# Altium PCB CM4 to FMC Adapter r2.0.PcbDoc (part 1 of 3) (continued)
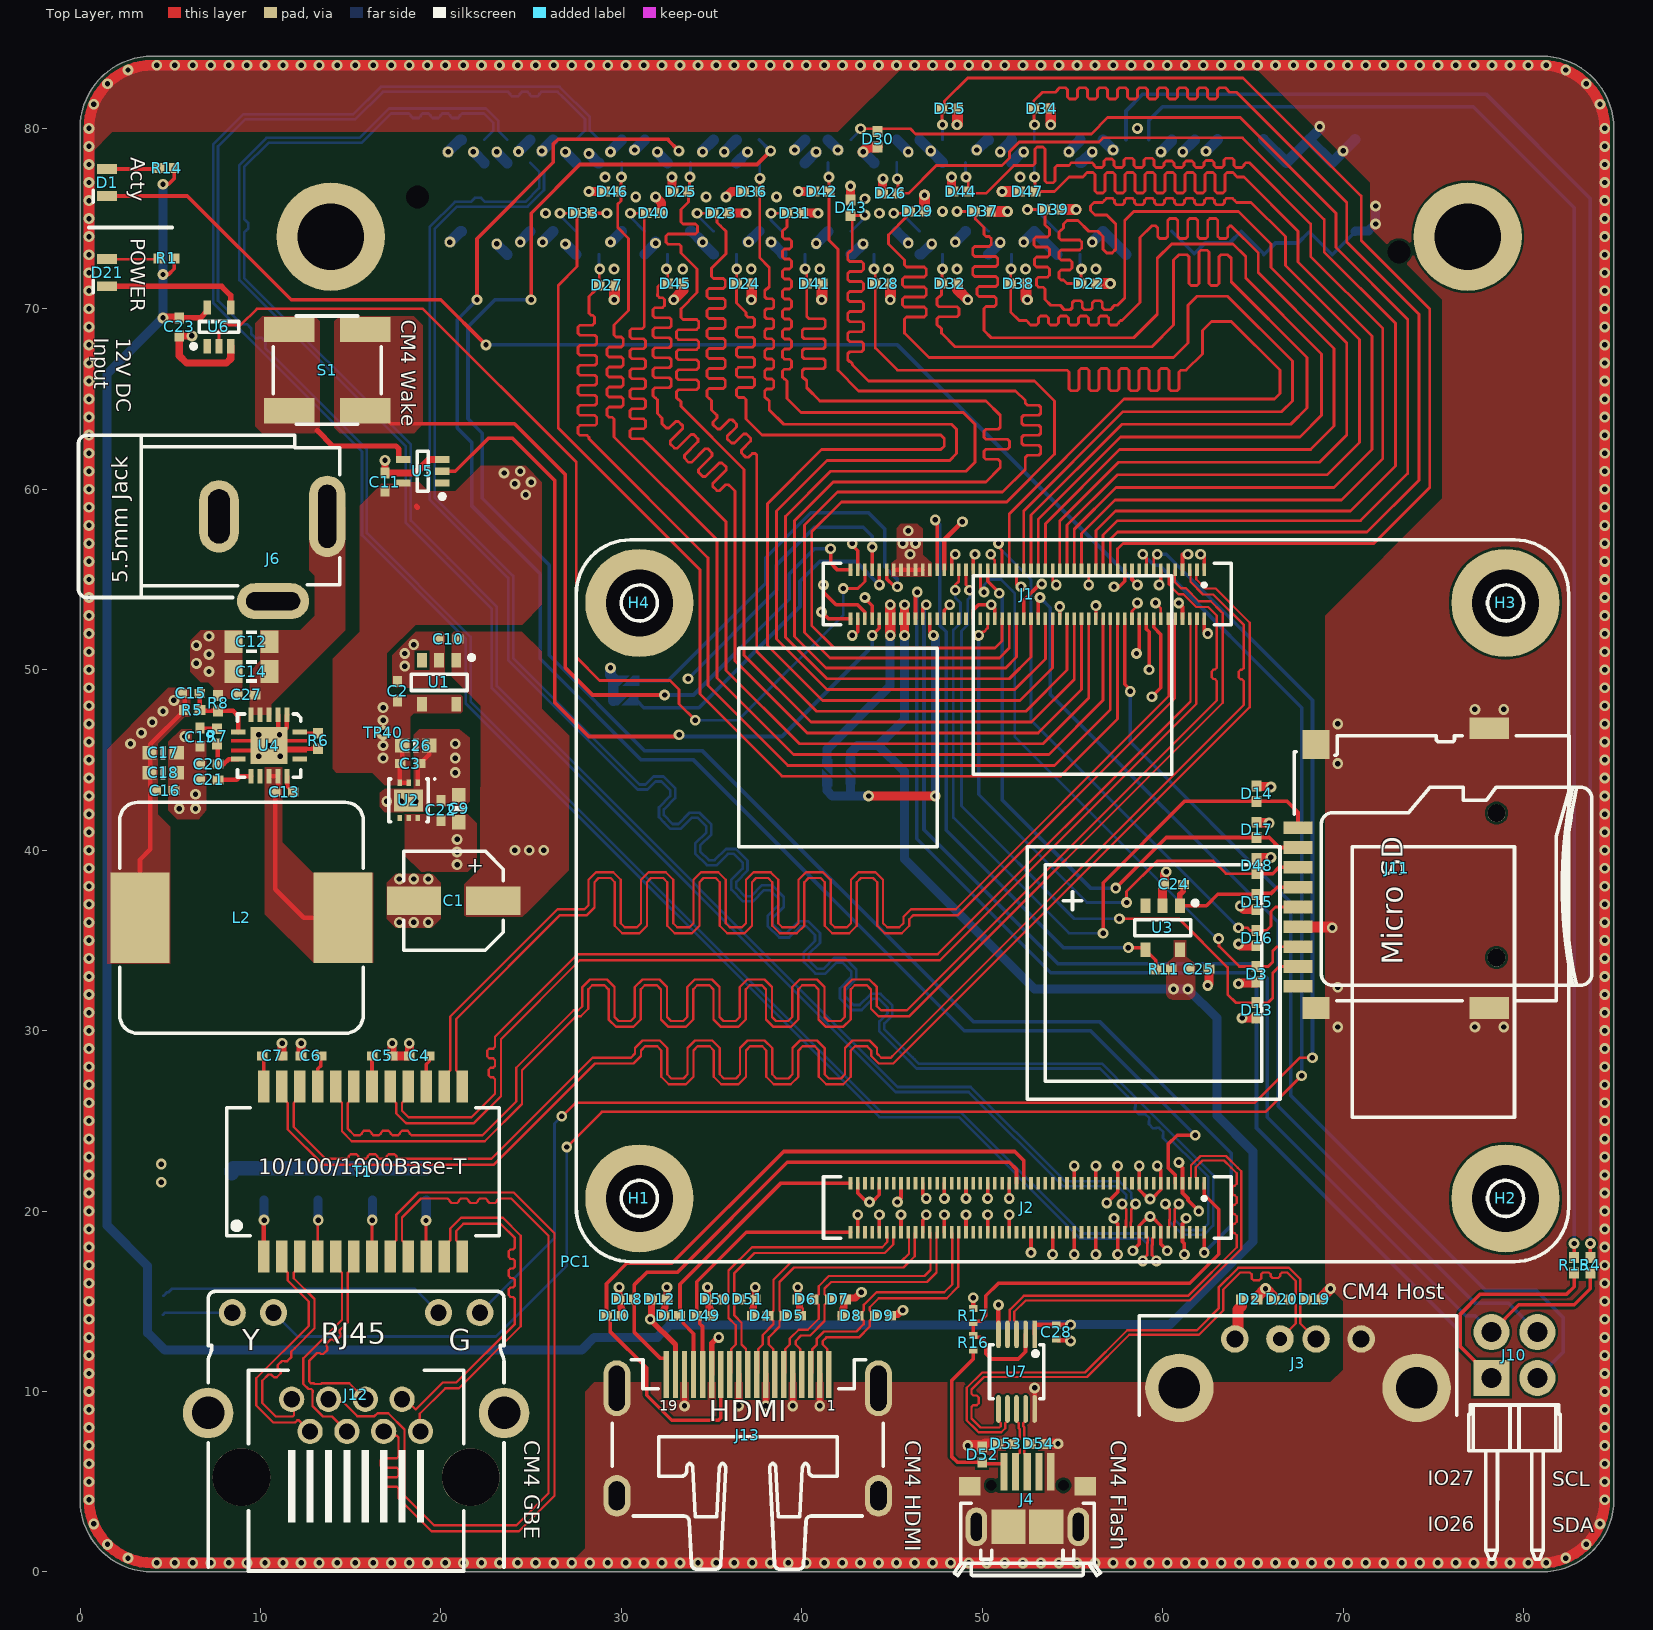
[diagram p0: Top Layer view]
## Components (designator, comment, footprint, x,y, rotation, side; value= is the part's Value field where it differs from the comment)
C1 "100µF 10V" WCAP-ASLI_D5H5.5 20.7,37.2 r0 top
C2 "1µF 16V" CAP_0402#1 17.6,48.8 r180 top
C3 "100nF 50V" CAP_0402#1 18.3,44.8 r90 top
C4 "10nF 50V" CAP_0402#1 18.8,28.6 r270 top
C5 "10nF 50V" CAP_0402#1 16.75,28.6 r90 top
C6 "10nF 50V" CAP_0402#1 12.8,28.6 r270 top
C7 "10nF 50V" CAP_0402#1 10.65,28.6 r90 top
C8 "1nF 2000V" CAP_1206 6.9,22.1 r270 bottom
C9 "10µF 6.3V" CAP_0603#1 21,42.3 r0 top
C10 "100nF 50V" CAP_0402#1 20.4,51.7 r90 top
C11 "100nF 50V" CAP_0402#2 16.9,60.4 r270 top
C12 "10µF 16V" CAP_0805 9.5,51.55 r0 top
C13 "100nF 50V" CAP_0402#2 11.318,43.221 r180 top
C14 "10µF 16V" CAP_0805 9.5,49.9 r0 top
C15 "150pF 50V" CAP_0402#2 6.14,48.688 r180 top
C16 "100nF 50V" CAP_0402#2 4.7,43.3 r0 top
C17 "10µF 6.3V" CAP_0603#2 4.6,45.4 r180 top
C18 "10µF 6.3V" CAP_0603#2 4.6,44.3 r180 top
C19 "22nF 50V" CAP_0402#2 6.655,46.261 r270 top
C20 "12pF 50V" CAP_0402#2 7.139,44.774 r180 top
C21 "1.8nF 50V" CAP_0402#2 7.139,43.897 r180 top
C22 "100nF 50V" CAP_0402#1 20,42.2 r0 top
C23 "100nF 50V" CAP_0402#2 5.5,69 r90 top
C24 "100nF 50V" CAP_0402#1 60.6,38.1 r90 top
C25 "1µF 16V" CAP_0402#1 62.01,33.405 r90 top
C26 "10µF 6.3V" CAP_0603#1 18.6,45.8 r90 top
C27 "100nF 50V" CAP_0402#2 9.2,48.6 r0 top
C28 "100nF 50V" CAP_0402_L 54.1,13.295 r270 top
D1 "LTST-S270KGKT" "LED-0603 Sideview" 1.5,77 r90 top
D2 "CESDP0402UC5VB" TVS_0402 64.8,15.1 r0 top
D3 "CESDP0402UC5VB" TVS_0402 65.2,33.125 r270 top
D4 "CESDP0402UC5VB" TVS_0402 37.7,14.2 r180 top
D5 "CESDP0402UC5VB" TVS_0402 39.5,14.2 r0 top
D6 "CESDP0402UC5VB" TVS_0402 40.2,15.1 r180 top
D7 "CESDP0402UC5VB" TVS_0402 42,15.1 r0 top
D8 "CESDP0402UC5VB" TVS_0402 42.7,14.2 r180 top
D9 "CESDP0402UC5VB" TVS_0402 44.5,14.2 r0 top
D10 "CESDP0402UC5VB" TVS_0402 29.6,14.2 r0 top
D11 "CESDP0402UC5VB" TVS_0402 32.8,14.2 r180 top
D12 "CESDP0402UC5VB" TVS_0402 32.1,15.1 r180 top
D13 "CESDP0402UC5VB" TVS_0402 65.2,31.125 r270 top
D14 "CESDP0402UC5VB" TVS_0402 65.2,43.125 r90 top
D15 "CESDP0402UC5VB" TVS_0402 65.2,37.125 r270 top
D16 "CESDP0402UC5VB" TVS_0402 65.2,35.125 r270 top
D17 "CESDP0402UC5VB" TVS_0402 65.2,41.125 r90 top
D18 "CESDP0402UC5VB" TVS_0402 30.3,15.1 r180 top
D19 "CESDP0402UC5VB" TVS_0402 68.4,15.1 r0 top
D20 "CESDP0402UC5VB" TVS_0402 66.6,15.1 r180 top
D21 "LTST-S270KRKT" "LED-0603 Sideview" 1.5,72 r90 top
D22 "CESDP0402UC5VB" TVS_0402 55.9,71.4 r0 top
D23 "CESDP0402UC5VB" TVS_0402 35.5,75.3 r0 top
D24 "CESDP0402UC5VB" TVS_0402 36.8,71.4 r0 top
D25 "CESDP0402UC5VB" TVS_0402 33.3,76.5 r180 top
D26 "CESDP0402UC5VB" TVS_0402 44.9,76.4 r180 top
D27 "CESDP0402UC5VB" TVS_0402 29.2,71.3 r0 top
D28 "CESDP0402UC5VB" TVS_0402 44.5,71.4 r0 top
D29 "CESDP0402UC5VB" TVS_0402 46.4,75.4 r0 top
D30 "CESDP0402UC5VB" TVS_0402 44.2,79.4 r270 top
D31 "CESDP0402UC5VB" TVS_0402 39.6,75.3 r0 top
D32 "CESDP0402UC5VB" TVS_0402 48.2,71.4 r0 top
D33 "CESDP0402UC5VB" TVS_0402 27.9,75.3 r0 top
D34 "CESDP0402UC5VB" TVS_0402 53.3,81.1 r0 top
D35 "CESDP0402UC5VB" TVS_0402 48.2,81.1 r0 top
D36 "CESDP0402UC5VB" TVS_0402 37.2,76.5 r180 top
D37 "CESDP0402UC5VB" TVS_0402 50,75.4 r0 top
D38 "CESDP0402UC5VB" TVS_0402 52,71.4 r0 top
D39 "CESDP0402UC5VB" TVS_0402 53.9,75.5 r0 top
D40 "CESDP0402UC5VB" TVS_0402 31.8,75.3 r0 top
D41 "CESDP0402UC5VB" TVS_0402 40.7,71.4 r0 top
D42 "CESDP0402UC5VB" TVS_0402 41.1,76.5 r180 top
D43 "CESDP0402UC5VB" TVS_0402 42.7,75.6 r90 top
D44 "CESDP0402UC5VB" TVS_0402 48.8,76.5 r180 top
D45 "CESDP0402UC5VB" TVS_0402 33,71.4 r0 top
D46 "CESDP0402UC5VB" TVS_0402 29.5,76.5 r180 top
D47 "CESDP0402UC5VB" TVS_0402 52.5,76.5 r180 top
D48 "CESDP0402UC5VB" TVS_0402 65.2,39.125 r90 top
D49 "CESDP0402UC5VB" TVS_0402 34.6,14.2 r0 top
D50 "CESDP0402UC5VB" TVS_0402 35.2,15.1 r180 top
D51 "CESDP0402UC5VB" TVS_0402 37,15.1 r0 top
D52 "CESDP0402UC5VB" TVS_0402 50,6.5 r90 top
D53 "CESDP0402UC5VB" TVS_0402 51.3,7.1 r180 top
D54 "CESDP0402UC5VB" TVS_0402 53.1,7.1 r0 top
D55 "SMAJ12" DO214AC 10.8,58.6 r270 bottom
H1 "9774030151R" 9774030151R 31,20.7 r0 top locked
H2 "9774030151R" 9774030151R 79,20.7 r0 top locked
H3 "9774030151R" 9774030151R 79,53.7 r0 top locked
H4 "9774030151R" 9774030151R 31,53.7 r0 top locked
H5 "9774100151R" 9774100151R 13.9,74 r180 bottom
H6 "9774100151R" 9774100151R 76.9,74 r180 bottom
J1 "Hirose Hirose DF40HC(3.0)-100DS-0.4V" "Hirose DF40HC(3.0)-100DS-0.4V_1-100" 52.5,54.2 r180 top locked
J2 "Hirose DF40HC(3.0)-100DS-0.4V PiMC4 Pin 101-200" "Hirose DF40HC(3.0)-100DS-0.4V_PiCM4_101_200" 52.5,20.2 r180 top locked
J3 "CU01SAH0S00" USB_A_2.0_single 67.5,10.2 r180 top
J4 "MICRO5.9mmusb" MICRO5.9mmusb 52.5,2.5 r180 top
J6 "DC-005-5A-2.0" DC-005-5A-2.0 7.7,58.5 r90 top
J10 "LCSC C60561" "LCSC C60561" 79.5,8 r180 top
J11 "TF-115" TF-115 75,39 r90 top
J12 "R-RJ45R08P-C000" "Ckmtw - R-RJ45R08P-C000" 15.3,7.5 r0 top
J13 "HDMI-001_C138388" "BOOMELE HDMI-001" 37,7.2 r0 top
J14 "ASP-134604-01" ASP-134604-01 45.9,76.2 r180 bottom
L2 "MS1350-3R3M" MS1350 8.95,36.25 r180 top
PC1 "RPiCM4" RaspberryPi_CM4 27.5,17.2 r0 top
R1 "1k 1%" RES_0402 4.8,72.8 r0 top
R2 "75R 1%" RES_0805 19.2,21.5 r90 bottom
R3 "75R 1%" RES_0805 16.2,21.4 r90 bottom
R4 "0R Jumper" RES_0402 83.7,17 r90 top
R5 "16.2k 1%" RES_0402 6.219,47.757 r180 top
R6 "52.3k 1%" RES_0402 13.2,46.05 r90 top
R7 "4.02k 1%" RES_0402 7.6,46.3 r270 top
R8 "2.21k 1%" RES_0402 7.656,48.144 r270 top
R9 "75R 1%" RES_0805 13.2,21.5 r90 bottom
R10 "75R 1%" RES_0805 10.2,21.5 r90 bottom
R11 "10k 1%" RES_0402 60.047,33.397 r0 top
R12 "1k 1%" RES_0402 4.175,14.25 r0 bottom
R13 "1k 1%" RES_0402 4.2,15.3 r0 bottom
R14 "1k 1%" RES_0402 4.8,77.8 r0 top
R15 "0R Jumper" RES_0402 82.8,17 r90 top
R16 "2.2k 1%" RES_0402_L 49.5,12.7 r90 top
R17 "2.2k 1%" RES_0402_L 49.5,14.205 r270 top
S1 "LL3301BF065QJ" LL3301BF065QJ 13.7,66.6 r0 top
SJ1 "Solderbridge_0402" Solderbridge_0402 42.7,44.4 r90 bottom
SJ2 "Solderbridge_0402" Solderbridge_0402 30.25,49.4 r180 bottom
SJ3 "Solderbridge_0402" Solderbridge_0402 41.4,44.3 r90 bottom
SJ4 "Solderbridge_0402" Solderbridge_0402 30.2,48.3 r180 bottom
T1 "QT24A01" QT24A01 15.682,22.185 r0 top
TP1 "Testpoint" "Testpoint 0.8mm" 48.9,58.2 r90 bottom
TP2 "Testpoint" "Testpoint 0.8mm" 43.5,53.976 r90 bottom
TP4 "Testpoint" "Testpoint 0.8mm" 41.2,54.7 r90 bottom
TP5 "Testpoint" "Testpoint 0.8mm" 42.8,57 r90 bottom
TP6 "Testpoint" "Testpoint 0.8mm" 41.1,53.2 r90 bottom
TP7 "Testpoint" "Testpoint 0.8mm" 59.4,48.5 r90 bottom
TP8 "Testpoint" "Testpoint 0.8mm" 59.25,50 r90 bottom
TP9 "Testpoint" "Testpoint 0.8mm" 58.55,50.9 r90 bottom
TP11 "Testpoint" "Testpoint 0.8mm" 33.7,49.5 r90 bottom
TP40 "Testpoint" "Testpoint 0.8mm" 16.8,46.5 r0 top
U1 "AP22811AW5-7" SOT95P285X140-5N 19.9,49.3 r270 top
U2 "AP21510FM-7" QFN50P201X181X60_HS-7N 18.209,42.756 r270 top
U3 "AP22811AW5-7" SOT95P285X140-5N 60,35.7 r270 top
U4 "TPS54821RHLR" VQFN14U3535 10.479,45.796 r180 top
U5 "NL17SZ07DFT2G" SOT65P210X110-5N 19,61 r180 top
U6 "NL17SZ07DFT2G" SOT65P210X110-5N 7.7,69 r90 top
U7 "FSUSB42MUX" SOP50P300X300X110-10N 51.9,11.1 r270 top

## Footprints (in the part's own frame and the unit in brackets; to place one, negate y for a bottom-side part, rotate by r counter-clockwise, add the part's x,y. Pads: shape width x height; smd on the part's side, far side on the other; paste and mask are expansions set on the pad)
9774030151R [mm] "Würth SMT Spacer 3mm M2.5"
  round 6 hole 3.7: 1(0,0)
  body extent -2.55,-2.55 2.55,2.55, height 3
9774100151R [mm] "Würth SMT Spacer 10mm M2.5"
  round 6 hole 3.7: 1(0,0)
  body extent -2.55,-2.55 2.55,2.55, height 10
ASP-134604-01 [mm] "Samtec  FPGA Mezzanine Card Connector"
  round 0.64 smd: C1(24.765,3.175) C2(23.495,3.175) C3(22.225,3.175) C4(20.955,3.175) C5(19.685,3.175) C6(18.415,3.175) C7(17.145,3.175) C8(15.875,3.175) C9(14.605,3.175) C10(13.335,3.175) C11(12.065,3.175) C12(10.795,3.175) C13(9.525,3.175) C14(8.255,3.175) C15(6.985,3.175) C16(5.715,3.175) C17(4.445,3.175) C18(3.175,3.175) C19(1.905,3.175) C20(0.635,3.175) C21(-0.635,3.175) C22(-1.905,3.175) C23(-3.175,3.175) C24(-4.445,3.175) C25(-5.715,3.175) C26(-6.985,3.175) C27(-8.255,3.175) C28(-9.525,3.175) C29(-10.795,3.175) C30(-12.065,3.175) C31(-13.335,3.175) C32(-14.605,3.175) C33(-15.875,3.175) C34(-17.145,3.175) C35(-18.415,3.175) C36(-19.685,3.175) C37(-20.955,3.175) C38(-22.225,3.175) C39(-23.495,3.175) C40(-24.765,3.175) D1(24.765,1.905) D2(23.495,1.905) D3(22.225,1.905) D4(20.955,1.905) D5(19.685,1.905) D6(18.415,1.905) D7(17.145,1.905) D8(15.875,1.905) D9(14.605,1.905) D10(13.335,1.905) D11(12.065,1.905) D12(10.795,1.905) D13(9.525,1.905) D14(8.255,1.905) D15(6.985,1.905) D16(5.715,1.905) D17(4.445,1.905) D18(3.175,1.905) D19(1.905,1.905) D20(0.635,1.905) D21(-0.635,1.905) D22(-1.905,1.905) D23(-3.175,1.905) D24(-4.445,1.905) D25(-5.715,1.905) D26(-6.985,1.905) D27(-8.255,1.905) D28(-9.525,1.905) D29(-10.795,1.905) D30(-12.065,1.905) D31(-13.335,1.905) D32(-14.605,1.905) D33(-15.875,1.905) D34(-17.145,1.905) D35(-18.415,1.905) D36(-19.685,1.905) D37(-20.955,1.905) D38(-22.225,1.905) D39(-23.495,1.905) D40(-24.765,1.905) G1(24.765,-1.905) G2(23.495,-1.905) G3(22.225,-1.905) G4(20.955,-1.905) G5(19.685,-1.905) G6(18.415,-1.905) G7(17.145,-1.905) G8(15.875,-1.905) G9(14.605,-1.905) G10(13.335,-1.905) G11(12.065,-1.905) G12(10.795,-1.905) G13(9.525,-1.905) G14(8.255,-1.905) G15(6.985,-1.905) G16(5.715,-1.905) G17(4.445,-1.905) G18(3.175,-1.905) G19(1.905,-1.905) G20(0.635,-1.905) G21(-0.635,-1.905) G22(-1.905,-1.905) G23(-3.175,-1.905) G24(-4.445,-1.905) G25(-5.715,-1.905) G26(-6.985,-1.905) G27(-8.255,-1.905) G28(-9.525,-1.905) G29(-10.795,-1.905) G30(-12.065,-1.905) G31(-13.335,-1.905) G32(-14.605,-1.905) G33(-15.875,-1.905) G34(-17.145,-1.905) G35(-18.415,-1.905) G36(-19.685,-1.905) G37(-20.955,-1.905) G38(-22.225,-1.905) G39(-23.495,-1.905) G40(-24.765,-1.905) H1(24.765,-3.175) H2(23.495,-3.175) H3(22.225,-3.175) H4(20.955,-3.175) H5(19.685,-3.175) H6(18.415,-3.175) H7(17.145,-3.175) H8(15.875,-3.175) H9(14.605,-3.175) H10(13.335,-3.175) H11(12.065,-3.175) H12(10.795,-3.175) H13(9.525,-3.175) H14(8.255,-3.175) H15(6.985,-3.175) H16(5.715,-3.175) H17(4.445,-3.175) H18(3.175,-3.175) H19(1.905,-3.175) H20(0.635,-3.175) H21(-0.635,-3.175) H22(-1.905,-3.175) H23(-3.175,-3.175) H24(-4.445,-3.175) H25(-5.715,-3.175) H26(-6.985,-3.175) H27(-8.255,-3.175) H28(-9.525,-3.175) H29(-10.795,-3.175) H30(-12.065,-3.175) H31(-13.335,-3.175) H32(-14.605,-3.175) H33(-15.875,-3.175) H34(-17.145,-3.175) H35(-18.415,-3.175) H36(-19.685,-3.175) H37(-20.955,-3.175) H38(-22.225,-3.175) H39(-23.495,-3.175) H40(-24.765,-3.175)
  rect 0x0 hole 1.27 unplated: ""(-27.19,-3.05) ""(27.19,0)
  silkscreen extent -27.9,-7.32 28.77,7.32, body extent -27.89,-7.34 28.78,7.34, height 7.44
"BOOMELE HDMI-001" [mm] "HDMI Connector Female 19 Pin LCSC C138388"
  rect 0.3x2.6 smd: 1(4.5,3.75) 2(4,3.75) 3(3.5,3.75) 4(3,3.75) 5(2.5,3.75) 6(2,3.75) 7(1.5,3.75) 8(1,3.75) 9(0.5,3.75) 10(0,3.75) 11(-0.5,3.75) 12(-1,3.75) 13(-1.5,3.75) 14(-2,3.75) 15(-2.5,3.75) 16(-3,3.75) 17(-3.5,3.75) 18(-4,3.75) 19(-4.5,3.75)
  oval 1.5x3.1 hole 0.9 slot 2.5 at 90 deg: MT(-7.25,2.98) MT(7.25,2.98)
  oval 1.5x2.3 hole 0.9 slot 1.6 at 90 deg: MT(-7.25,-2.98)
  oval 1.5x2.3 hole 0.9 slot 1.6 at 90 deg mask+0.102: MT(7.25,-2.98)
  silkscreen extent -7.5,-7.05 7.51,4.55, body extent -7.55,-7.58 7.45,4.57, height 6.18
CAP_0402#1 [mm] "Chip Capacitor, 2-Leads, Body 1,00x0,50mm"
  rect 0.5x0.6 smd: 1(0,-0.55) 2(0,0.55)
  body extent -0.26,-0.59 0.26,0.6, height 0.51
CAP_0402#2 [mm] "Chip Capacitor, 2-Leads, Body 1,00x0,50mm"
  rect 0.6x0.5 smd: 1(-0.5,0) 2(0.5,0)
  body extent -0.59,-0.26 0.6,0.26, height 0.51
CAP_0402_L [mm] "Chip Capacitor, 2-Leads, Body 1,00x0,50mm, IPC High Density"
  rect 0.38x0.48 smd: 1(-0.395,0) 2(0.395,0)
  body extent -0.59,-0.26 0.59,0.26, height 0.51
CAP_0603#1 [mm] "Chip Capacitor, 2-Leads, Body 1,60x0,8mm"
  rect 0.75x0.8 smd: 1(0,-0.75) 2(0,0.75)
  silkscreen extent -0.37,-0.15 0.38,0.15, body extent -0.41,-0.93 0.41,0.93, height 0.81
CAP_0603#2 [mm] "Chip Capacitor, 2-Leads, Body 1,60x0,8mm"
  rect 0.8x0.75 smd: 1(-0.75,0) 2(0.75,0)
  silkscreen extent -0.15,-0.38 0.15,0.37, body extent -0.93,-0.41 0.93,0.41, height 0.81
CAP_0805 [mm] "Chip Capacitor, 2-Leads, Body 2,00x1,25mm"
  rect 1x1.25 smd: 1(-1,0) 2(1,0)
  silkscreen extent -0.3,-0.62 0.3,0.63, body extent -1.09,-0.64 1.09,0.64, height 1.26
CAP_1206 [mm] "Chip Capacitor, 2-Leads, Body 3,20x1,60mm"
  rect 1.6x1 smd: 1(0,-1.5) 2(0,1.5)
  silkscreen extent -0.8,-0.8 0.8,0.8, body extent -0.81,-1.75 0.81,1.75, height 1.61
"Ckmtw - R-RJ45R08P-C000" [mm] "RJ45 8 1 Shielded Yellow - Green Through Hole Ethernet Connectors/Modular Connectors (RJ45 RJ11) RoHS"
  round 1.4 hole 0.9: 1(3.57,0.29) 2(2.55,2.07) 3(1.53,0.29) 4(0.51,2.07) 5(-0.51,0.29) 6(-1.53,2.07) 7(-2.55,0.29) 8(-3.57,2.07)
  round 1.5 hole 0.9: 9(6.86,6.87) 10(4.57,6.87) 11(-4.57,6.87) 12(-6.86,6.87)
  round 3.2 hole 3.2 unplated: MT(-6.35,-2.25) MT(6.35,-2.25)
  round 2.8 hole 1.8: SHD(-8.2,1.31) SHD(8.2,1.31)
  silkscreen extent -8.2,-7.45 8.2,8.05, body extent -8.2,-8.15 8.2,8.05, height 13.44
DC-005-5A-2.0 [mm] "5.5/2.1mm Barrel Connector"
  oval 4.5x2 hole 1 slot 3.5 at 0 deg: 1(0,-6)
  oval 4x2.2 hole 1.2 slot 3 at 0 deg: 2(0,0)
  oval 2x4 hole 1 slot 3 at 90 deg: 3(-4.7,-3)
  silkscreen extent -4.5,-6.7 4.5,7.8, body extent -5,-6.7 4.5,7.8, height 11
DO214AC [mm] "DO214AC Flat Diode Body"
  rect 2.3x1.7 smd: 1(-2.1,0) 2(2.1,0)
  silkscreen extent -2.25,-1.25 2.25,1.25, body extent -2.56,-1.33 2.56,1.34, height 2.25
"Hirose DF40HC(3.0)-100DS-0.4V_1-100" [mm] "DF40C-100DS-0.4V 3mm receptacle"
  rect 0.2x0.7 smd: 1(-9.8,-1.35) 2(-9.8,1.38) 3(-9.4,-1.35) 4(-9.4,1.38) 5(-9,-1.35) 6(-9,1.38) 7(-8.6,-1.35) 8(-8.6,1.38) 9(-8.2,-1.35) 10(-8.2,1.38) 11(-7.8,-1.35) 12(-7.8,1.38) 13(-7.4,-1.35) 14(-7.4,1.38) 15(-7,-1.35) 16(-7,1.38) 17(-6.6,-1.35) 18(-6.6,1.38) 19(-6.2,-1.35) 20(-6.2,1.38) 21(-5.8,-1.35) 22(-5.8,1.38) 23(-5.4,-1.35) 24(-5.4,1.38) 25(-5,-1.35) 26(-5,1.38) 27(-4.6,-1.35) 28(-4.6,1.38) 29(-4.2,-1.35) 30(-4.2,1.38) 31(-3.8,-1.35) 32(-3.8,1.38) 33(-3.4,-1.35) 34(-3.4,1.38) 35(-3,-1.35) 36(-3,1.38) 37(-2.6,-1.35) 38(-2.6,1.38) 39(-2.2,-1.35) 40(-2.2,1.38) 41(-1.8,-1.35) 42(-1.8,1.38) 43(-1.4,-1.35) 44(-1.4,1.38) 45(-1,-1.35) 46(-1,1.38) 47(-0.6,-1.35) 48(-0.6,1.38) 49(-0.2,-1.35) 50(-0.2,1.38) 51(0.2,-1.35) 52(0.2,1.38) 53(0.6,-1.35) 54(0.6,1.38) 55(1,-1.35) 56(1,1.38) 57(1.4,-1.35) 58(1.4,1.38) 59(1.8,-1.35) 60(1.8,1.38) 61(2.2,-1.35) 62(2.2,1.38) 63(2.6,-1.35) 64(2.6,1.38) 65(3,-1.35) 66(3,1.38) 67(3.4,-1.35) 68(3.4,1.38) 69(3.8,-1.35) 70(3.8,1.38) 71(4.2,-1.35) 72(4.2,1.38) 73(4.6,-1.35) 74(4.6,1.38) 75(5,-1.35) 76(5,1.38) 77(5.4,-1.35) 78(5.4,1.38) 79(5.8,-1.35) 80(5.8,1.38) 81(6.2,-1.35) 82(6.2,1.38) 83(6.6,-1.35) 84(6.6,1.38) 85(7,-1.35) 86(7,1.38) 87(7.4,-1.35) 88(7.4,1.38) 89(7.8,-1.35) 90(7.8,1.38) 91(8.2,-1.35) 92(8.2,1.38) 93(8.6,-1.35) 94(8.6,1.38) 95(9,-1.35) 96(9,1.38) 97(9.4,-1.35) 98(9.4,1.38) 99(9.8,-1.35) 100(9.8,1.38)
  silkscreen extent -11.3,-1.69 11.3,1.7, body extent -11.3,-1.69 11.3,1.69, height 2.86
"Hirose DF40HC(3.0)-100DS-0.4V_PiCM4_101_200" [mm] "DF40C-100DS-0.4V 3mm receptacle height for Raspberry Pi CM4 Pin 101 to 200"
  rect 0.2x0.7 smd: 101(-9.8,-1.35) 102(-9.8,1.38) 103(-9.4,-1.35) 104(-9.4,1.38) 105(-9,-1.35) 106(-9,1.38) 107(-8.6,-1.35) 108(-8.6,1.38) 109(-8.2,-1.35) 110(-8.2,1.38) 111(-7.8,-1.35) 112(-7.8,1.38) 113(-7.4,-1.35) 114(-7.4,1.38) 115(-7,-1.35) 116(-7,1.38) 117(-6.6,-1.35) 118(-6.6,1.38) 119(-6.2,-1.35) 120(-6.2,1.38) 121(-5.8,-1.35) 122(-5.8,1.38) 123(-5.4,-1.35) 124(-5.4,1.38) 125(-5,-1.35) 126(-5,1.38) 127(-4.6,-1.35) 128(-4.6,1.38) 129(-4.2,-1.35) 130(-4.2,1.38) 131(-3.8,-1.35) 132(-3.8,1.38) 133(-3.4,-1.35) 134(-3.4,1.38) 135(-3,-1.35) 136(-3,1.38) 137(-2.6,-1.35) 138(-2.6,1.38) 139(-2.2,-1.35) 140(-2.2,1.38) 141(-1.8,-1.35) 142(-1.8,1.38) 143(-1.4,-1.35) 144(-1.4,1.38) 145(-1,-1.35) 146(-1,1.38) 147(-0.6,-1.35) 148(-0.6,1.38) 149(-0.2,-1.35) 150(-0.2,1.38) 151(0.2,-1.35) 152(0.2,1.38) 153(0.6,-1.35) 154(0.6,1.38) 155(1,-1.35) 156(1,1.38) 157(1.4,-1.35) 158(1.4,1.38) 159(1.8,-1.35) 160(1.8,1.38) 161(2.2,-1.35) 162(2.2,1.38) 163(2.6,-1.35) 164(2.6,1.38) 165(3,-1.35) 166(3,1.38) 167(3.4,-1.35) 168(3.4,1.38) 169(3.8,-1.35) 170(3.8,1.38) 171(4.2,-1.35) 172(4.2,1.38) 173(4.6,-1.35) 174(4.6,1.38) 175(5,-1.35) 176(5,1.38) 177(5.4,-1.35) 178(5.4,1.38) 179(5.8,-1.35) 180(5.8,1.38) 181(6.2,-1.35) 182(6.2,1.38) 183(6.6,-1.35) 184(6.6,1.38) 185(7,-1.35) 186(7,1.38) 187(7.4,-1.35) 188(7.4,1.38) 189(7.8,-1.35) 190(7.8,1.38) 191(8.2,-1.35) 192(8.2,1.38) 193(8.6,-1.35) 194(8.6,1.38) 195(9,-1.35) 196(9,1.38) 197(9.4,-1.35) 198(9.4,1.38) 199(9.8,-1.35) 200(9.8,1.38)
  silkscreen extent -11.3,-1.7 11.3,1.7, body extent -11.3,-1.69 11.3,1.69, height 2.86
"LCSC C60561" [mm] "Pin header 2.54mm 4pol angled"
  rect 2x2 hole 1.1: 1(1.276,-2.75)
  round 2 hole 1.1: 2(1.276,-5.29) 3(-1.264,-2.75) 4(-1.264,-5.29)
  silkscreen extent -2.54,-1.25 2.54,7.29, body extent -2.54,-5.61 2.54,7.29, height 5.08
"LED-0603 Sideview" [mm] "LED 1.6x1.2x0.6mm package"
  rect 0.55x1.1 smd: 1(-0.75,0) 2(0.75,0)
  silkscreen extent -1.1,0.77 -0.43,0.77, body extent -0.82,-0.34 0.83,0.81, height 0.6
LL3301BF065QJ [mm] "Push Button LL3301BF065QJ H: 9.8"
  rect 2.8x1.4 smd: 1(-2.1,2.25) 2(-2.1,-2.25) 3(2.1,2.25) 4(2.1,-2.25)
  silkscreen extent -3,-3 3,3, body extent -3.3,-3 3.3,3, height 9.8
MICRO5.9mmusb [mm] "SMD micro USB Connector Horizontal"
  rect 0.4x2.1 smd: 1(1.3,-3.05) 2(0.65,-3.05) 3(0,-3.05) 4(-0.65,-3.05) 5(-1.3,-3.05)
  oval 1.2x2.15 hole 0.6 slot 1.55 at 90 deg: 6(2.825,0) 7(-2.825,0)
  rect 1.2x1 smd: 8(-3.2,-2.25) 9(3.2,-2.25)
  rect 1.9x1.9 smd: 10(-1.05,0) 11(1.05,0)
  rect 0x0 hole 0.6 unplated: MT(-2,-2.3) MT(2,-2.3)
  silkscreen extent -4.06,-1.3 4.06,2.7, body extent -4.06,-2.89 4.06,2.7, height 2.74
MS1350 [mm] "SMD,13.8x12.6x5mm Inductor"
  rect 3.25x5 smd: 1(-5.625,0) 2(5.625,0)
  silkscreen extent -6.75,-6.4 6.75,6.4, body extent -6.9,-6.3 6.9,6.3, height 5
QFN50P201X181X60_HS-7N [mm] "QFN, 6-Leads, Body 2,01x1,81mm, Pitch 0,50mm, Thermal Pad 1,00x1,40mm, IPC Medium Density"
  rect 0.35x0.25 smd: 1(-0.975,0.5) 2(-0.975,0) 3(-0.975,-0.5) 4(0.975,-0.5) 5(0.975,0) 6(0.975,0.5)
  rect 1.2x1.6 smd paste-1: 7(0,0)
  silkscreen extent -1.24,-1.09 1.19,1.5, body extent -1.01,-0.9 1.01,0.9, height 0.58
QT24A01 [mm] "QT24A01 10/100/1000Base-T Single Port Transformer"
  rect 0.64x1.78 smd: 1(-5.5,-4.71) 2(-4.5,-4.71) 3(-3.5,-4.71) 4(-2.5,-4.71) 5(-1.5,-4.71) 6(-0.5,-4.71) 7(0.5,-4.71) 8(1.5,-4.71) 9(2.5,-4.71) 10(3.5,-4.71) 11(4.5,-4.71) 12(5.5,-4.71) 13(5.5,4.71) 14(4.5,4.71) 15(3.5,4.71) 16(2.5,4.71) 17(1.5,4.71) 18(0.5,4.71) 19(-0.5,4.71) 20(-1.5,4.71) 21(-2.5,4.71) 22(-3.5,4.71) 23(-4.5,4.71) 24(-5.5,4.71)
  silkscreen extent -7.55,-3.55 7.55,3.55, body extent -7.55,-5.25 7.55,5.25, height 4.5
RaspberryPi_CM4 [mm] "RaspberryPi_CM4 board"
  silkscreen extent 0,0 55,40, body extent 0,0 55,40, height 6.65
RES_0402 [mm] "Chip Resistor, 2-Leads, Body 1,00x0,50mm"
  rect 0.6x0.55 smd: 1(-0.425,0) 2(0.425,0)
  body extent -0.52,-0.28 0.52,0.27, height 0.4
RES_0402_L [mm] "Chip Resistor, 2-Leads, Body 1,00x0,53mm, IPC High Density"
  rect 0.38x0.48 smd: 1(-0.395,0) 2(0.395,0)
  body extent -0.52,-0.27 0.52,0.27, height 0.4
RES_0805 [mm] "Chip Resistor, 2-Leads, Body 2,00x1,25mm"
  rect 1.1x1.4 smd: 1(-0.875,0) 2(0.875,0)
  silkscreen extent -0.12,-0.7 0.13,0.7, body extent -1.1,-0.67 1.1,0.68, height 0.69
Solderbridge_0402 [mm] "Solderbridge_0402"
  rect 0.2x0.2 smd paste-1: 1(-0.65,0) 2(0.65,0)
  Top Layer region: 0.375,-0.275 0.75,-0.275 0.75,0.275 -0.175,0.275
  Top Layer region: -0.375,0.275 -0.75,0.275 -0.75,-0.275 0.175,-0.275
SOP50P300X300X110-10N [mm]
  rect 1.538x0.252 smd paste+0 mask+0: 1(-2.067,1)
  rrect100% 1.538x0.252 smd paste+0 mask+0: 2(-2.067,0.5) 3(-2.067,0) 4(-2.067,-0.5) 5(-2.067,-1) 6(2.067,-1) 7(2.067,-0.5) 8(2.067,0) 9(2.067,0.5) 10(2.067,1)
  silkscreen extent -1.5,-1.5 1.5,1.5, body extent -2.46,-1.5 2.46,1.5, height 1.1
SOT65P210X110-5N [mm] "SOT23, 5-Leads, Body 2,00x2,10mm, Pitch 0,65mm, IPC Medium Density"
  rect 0.8x0.4 smd: 1(-1.075,0.65) 2(-1.075,0) 3(-1.075,-0.65) 4(1.075,-0.65) 5(1.075,0.65)
  silkscreen extent -1.2,-1.1 0.3,1.52, body extent -1.2,-1.1 1.2,1.1, height 1.1
SOT95P285X140-5N [mm] "SOT23, 5-Leads, Body 3,00x2,85mm, Pitch 0,95mm, IPC Medium Density"
  rect 0.8x0.55 smd: 1(-1.225,0.95) 2(-1.225,0) 3(-1.225,-0.95) 4(1.225,-0.95) 5(1.225,0.95)
  silkscreen extent -1.5,-1.55 0.45,1.93, body extent -1.25,-1.5 1.25,1.5, height 1.1
"Testpoint 0.8mm" [mm] "Testpoint 0.8mm"
  round 0.8 smd paste-1: 1(0,0)
  body extent -0.4,-0.4 0.4,0.4, height 0.1
TF-115 [mm] "Micro SD Card Slot TF-115"
  rect 0.7x1.6 smd: 1(2.25,7.5) 2(1.15,7.5) 3(0.05,7.5) 4(-1.05,7.5) 5(-2.15,7.5) 6(-3.25,7.5) 7(-4.35,7.5) 8(-5.45,7.5) 9(-6.55,7.5)
  rect 1.2x1.5 smd: 10(-7.75,6.5)
  rect 1.6x1.5 smd: 11(6.85,6.5)
  rect 1.2x2.2 smd: 12(-7.75,-3.1) 13(7.75,-3.1)
  round 1 hole 1 unplated: MT(-4.95,-3.5) MT(3.05,-3.5)
  silkscreen extent -7.35,-8.78 7.35,7.71, body extent -8,-8.78 8,7.71, height 1.93
TVS_0402 [mm] "TVS Diode, 2-Leads, Body 1,00x0,50mm"
  rect 0.6x0.55 smd paste-0.095: 1(-0.425,0) 2(0.425,0)
  body extent -0.52,-0.27 0.53,0.28, height 0.4
USB_A_2.0_single [mm]
  round 3.8 hole 2.3: 1(-6.57,0) 6(6.57,0)
  round 1.524 hole 0.95: 2(-3.5,-2.71) 3(-1,-2.71) 5(3.5,-2.71)
  round 1.524 hole 0.795: 4(1,-2.71)
  silkscreen extent -8.8,-4 8.8,1.5, body extent -7.85,-3.8 7.85,10.35, height 7.7
VQFN14U3535 [mm] "VQFN14U3535 3.50mm x 3.50mm x 1.00mm"
  rect 0.8x0.28 smd: 1(-1.7,-0.75) 7(1.7,-0.75) 8(1.7,0.75) 14(-1.7,0.75)
  rect 0.28x0.8 smd: 2(-1,-1.7) 3(-0.5,-1.7) 4(0,-1.7) 5(0.5,-1.7) 6(1,-1.7) 9(1,1.7) 10(0.5,1.7) 11(0,1.7) 12(-0.5,1.7) 13(-1,1.7)
  rect 2.05x2.05 smd paste-2: Exp(0,0)
  Top Layer region: -2.1,-0.375 2.1,-0.375 2.1,-0.175 -2.1,-0.175
  Top Layer region: -2.1,0.175 2.1,0.175 2.1,0.375 -2.1,0.375
  silkscreen extent -1.75,-1.75 1.75,1.75, body extent -1.75,-1.75 1.75,1.75, height 0.9
WCAP-ASLI_D5H5.5 [mm] "Aluminium Electrolytic V-Chip SMT Capacitors, 5x5.5mm"
  rect 3x1.6 smd: 1(2.2,0) 2(-2.2,0)
  silkscreen extent -2.75,-2.75 2.75,2.75, body extent -3,-2.65 3,2.65, height 5.5

## Part data
C1: library part CAP_D5L5.5_100µF_10V, "Organische Polymer-Aluminiumkondensatoren 100uF 10 Volts 20%", Manufacturer 1="Würth Elektronik", Manufacturer 1 Prt. Nr.=875105242010
C2 C25: library part CAP_0402_1µF_16V, "Multilayer Ceramic Capacitors MLCC - SMD/SMT 0402 16VDC", Manufacturer 1="Taiyo Yuden", Manufacturer 1 Prt. Nr.=EMK105BJ105MVHF, Manufacturer 2="Murata Electronics", Manufacturer 2 Prt. Nr.=GRM155R61E105KA12D
C3 C10 C11 C13 C16 C22 C23 C24 C27 C28: library part CAP_0402_100nF_50V, "Multilayer Ceramic Capacitors MLCC - SMD/SMT 0402 50VDC", Manufacturer 1="Murata Electronics", Manufacturer 1 Prt. Nr.=GCM155L8EH104KE07D, Manufacturer 2=TDK, Manufacturer 2 Prt. Nr.=UMK105B7104KV-FR
C4 C5 C6 C7: library part CAP_0402_10nF_50V, "Multilayer Ceramic Capacitors MLCC - SMD/SMT 0402 50VDC", Manufacturer 1="Wurth Elektronik", Manufacturer 1 Prt. Nr.=885012205067, Manufacturer 2=Yageo, Manufacturer 2 Prt. Nr.=AC0402KPX7R9BB103
C8: library part CAP_1206_1nF_2000V, "Multilayer Ceramic Capacitors MLCC - SMD/SMT 1206 2000VDC", Manufacturer 1=Yageo, Manufacturer 1 Prt. Nr.=CC1206MKX7RDBB102, Manufacturer 2=Walsin, Manufacturer 2 Prt. Nr.=1206B102M202CT
C9 C17 C18 C26: library part CAP_0603_10µF_6.3V, "Multilayer Ceramic Capacitors MLCC - SMD/SMT 0603 6.3VDC", Manufacturer 1="Murata Electronics", Manufacturer 1 Prt. Nr.=GRM188R60J106ME84J, Manufacturer 2="Taiyo Yuden", Manufacturer 2 Prt. Nr.=JMK107ABJ106MA-T
C12 C14: library part CAP_0805_10µF_16V, "Multilayer Ceramic Capacitors MLCC - SMD/SMT 0805 16VDC", Manufacturer 1="Taiyo Yuden", Manufacturer 1 Prt. Nr.=EMK212ABJ106KG-T, Manufacturer 2=TDK, Manufacturer 2 Prt. Nr.=C2012X5R1C106K085AC
C15: library part CAP_0402_150pF_50V, "Multilayer Ceramic Capacitors MLCC - SMD/SMT 0402 50VDC", Manufacturer 1="Murata Electronics", Manufacturer 1 Prt. Nr.=GCM1555C1H151JA16J, Manufacturer 2=KEMET, Manufacturer 2 Prt. Nr.=C0402C151J5GACTU
C19: library part CAP_0402_22nF_50V, "Multilayer Ceramic Capacitors MLCC - SMD/SMT 0402 50VDC", Manufacturer 1="Murata Electronics", Manufacturer 1 Prt. Nr.=GCM155R71H223KA55D, Manufacturer 2=TDK, Manufacturer 2 Prt. Nr.=UMK105B7223KV-FR
C20: library part CAP_0402_12pF_50V, "Multilayer Ceramic Capacitors MLCC - SMD/SMT 0402 50VDC", Manufacturer 1="Murata Electronics", Manufacturer 1 Prt. Nr.=GCM1555C1H120JA16J, Manufacturer 2=KEMET, Manufacturer 2 Prt. Nr.=C0402C120J5GACTU
C21: library part CAP_0402_1.8nF_50V, "Multilayer Ceramic Capacitors MLCC - SMD/SMT 0402 50VDC", Manufacturer 1=Yageo, Manufacturer 1 Prt. Nr.=CC0402JRX7R9BB182, Manufacturer 2="Murata Electronics", Manufacturer 2 Prt. Nr.=GCM155R71H182JA37D
D1: library part "LED 0603 Green Sideview", "GREEN  0603 Light Emitting Diode", Color=Green, Manufacturer 1=lite-On, Manufacturer 1 Prt. Nr.=LTST-S270KGKT
D2 D3 D4 D5 D6 D7 D8 D9 D10 D11 D12 D13 D14 D15 D16 D17 D18 D19 D20 D22 D23 D24 D25 D26 D27 D28 D29 D30 D31 D32 D33 D34 D35 D36 D37 D38 D39 D40 D41 D42 D43 D44 D45 D46 D47 D48 D49 D50 D51 D52 D53 D54: library part "CESDP0402UC5VB_TVS Diode 0402", "Low Capacitance ESD Protection Diode 0402", Manufacturer 1=CREATEK, Manufacturer 2=BORN, Manufacturer 2 Prt. Nr.=BPESD0402-05ST, Manufacturer 1 Prt. Nr.=CESDP0402UC5VB
D21: library part "LED 0603 Red Sideview", "RED  0603 Light Emitting Diode", Color=Red, Manufacturer 1=lite-On, Manufacturer 1 Prt. Nr.=LTST-S270KRKT
D55: library part "SMAJ12_TVS Diode, 12V, Unidirectional", "TVS Diode, 12V, Unidirectional", Manufacturer 1=Littelfuse, Manufacturer 1 Prt. Nr.=SMAJ12A
H1 H2 H3 H4: library part "Würth Standoff M2.5 h:3.0mm", "Würth Standoff M2.5 h:3.0mm 9774030151R", Manufacturer 1="Würth Elektronik", Manufacturer 1 Prt. Nr.=9774030151R
H5 H6: library part "Würth Standoff M2.5 h:5mm_1", "Würth Standoff M2.5 h:10mm 9774050151R", Manufacturer 1="Würth Elektronik", Manufacturer 1 Prt. Nr.=9774100151R
J1: library part "DF40HC(3.0)-100DS-0.4V RPiCM4 Pin 1-100", "Hirose DF40HC(3.0)-100DS-0.4V 3mm heigth receptacle for Raspberry Pi CM4, Pin 1-100", Manufacturer 1=Hirose, Manufacturer 1 Prt. Nr.=DF40HC(3.0)-100DS-0.4V
J2: library part "DF40HC(3.0)-100DS-0.4V RPiCM4 Pin 101-200", "Hirose DF40C-100DS-0.4V 3mm heigth receptacle for Raspberry Pi CM4, Pin 101-200", Manufacturer 1=Hirose, Manufacturer 1 Prt. Nr.=DF40HC(3.0)-100DS-0.4V
J3: library part USBA_single, "USB-A USB 2.0 Buchse Steckverbinder, rechtwinklig", Manufacturer 1="Cvilux USA", Manufacturer 1 Prt. Nr.=CU01SAH0S00
J4: library part "SMD micro USB Connector Horizontal C393940", "SHOU HAN  MICRO5.9mmusb", Manufacturer 1="SHOU HAN", Manufacturer 1 Prt. Nr.=MICRO5.9mmusb
J6: library part "DC-005-5A-2.0_DC Power Receptacle Jack 5.5/2.1mm", "DC Power Receptacle Jack 5.5/2.1mm", Manufacturer 1="XKB Enterprise", Manufacturer 1 Prt. Nr.=DC-005-5A-2.0
J10: library part "LCSC C60561_Pin header 2.54mm 4Pol right angle", "Pin header 2.54mm 4Pol right angle", Manufacturer 1="BOOMELE(Boom Precision Elec)", Manufacturer 1 Prt. Nr.=C60561
J11: library part "TF-115_microSD™ Memory Card 8 connector", "microSD™ Memory Card 8 connector&Ejector 14.5x14.75x1.85mm Card Sockets Connector", Manufacturer 1=XUNPU, Manufacturer 1 Prt. Nr.=TF-115
J12: library part "R-RJ45R08P-C000_RJ45 8P8C Shielded Yellow - Green Through Hole Ethernet Connectors", "RJ45 8 1 Shielded Yellow - Green Through Hole Ethernet Connectors/Modular Connectors (RJ45 RJ11) RoHS", Manufacturer 1="Ckmtw(Shenzhen Cankemeng)", Manufacturer 1 Prt. Nr.=R-RJ45R08P-C000
J13: library part "HDMI-001_HDMI Connector 19Pin SMD", "HDMI Connector Female 19 Pin LCSC C138388", Manufacturer 1="BOOMELE(Boom Precision Elec)", Manufacturer 1 Prt. Nr.=HDMI-001
J14: library part "ASP-134604-01_Female FMC-Connector mating plug", "Female FMC-Connector mating plug", Manufacturer 1=Samtec, Manufacturer 1 Prt. Nr.=ASP-134604-01
L2: library part "MS1350-3R3M  _3.3uH ±20% 13A 7.5mΩ SMD,13.8x12.6x5mm Inductor", "3.3uH ±20% 13A 7.5mΩ SMD,13.8x12.6x5mm Inductor", Manufacturer 1=COILMX, Manufacturer 1 Prt. Nr.=MS1350-3R3M
PC1: library part "Raspberry Pi Compute Module 4", "Raspberry Pi 4 Compute Module 4", Manufacturer 1="Raspberry Pi", Manufacturer 1 Prt. Nr.="Compute Module 4"
R1 R12 R13 R14: library part RES_0402_1k_1%, "Thick Film Resistors - SMD 1kOhm 1%", Manufacturer 1="Vishay / Dale", Manufacturer 1 Prt. Nr.=CRCW04021K00FKEDC, Manufacturer 2=Yageo, Manufacturer 2 Prt. Nr.=RC0402FR-7W1KL
R2 R3 R9 R10: library part RES_0805_75R_1%, "Thick Film Resistors - SMD 75Ohm 1%", Manufacturer 1=Bourns, Manufacturer 1 Prt. Nr.=CR0805-FX-75R0ELF, Manufacturer 2=Panasonic, Manufacturer 2 Prt. Nr.=ERJ-6ENF75R0V
R4 R15: library part "RES_0402_0R Jumper", "Thick Film Resistors - SMD 0Ohm", Manufacturer 1="Vishay / Dale", Manufacturer 1 Prt. Nr.=CRCW04020000Z0EDC, Manufacturer 2=Yageo, Manufacturer 2 Prt. Nr.=RC0402JR-070RL
R5: library part RES_0402_16.2k_1%, "Thick Film Resistors - SMD 16.2kOhm 1%", Manufacturer 1="Vishay / Dale", Manufacturer 1 Prt. Nr.=CRCW040216K2FKED, Manufacturer 2=Yageo, Manufacturer 2 Prt. Nr.=RC0402FR-0716K2L
R6: library part RES_0402_52.3k_1%, "Thick Film Resistors - SMD 52.3kOhm 1%", Manufacturer 1="Vishay / Dale", Manufacturer 1 Prt. Nr.=CRCW040252K3FKEDC, Manufacturer 2=Yageo, Manufacturer 2 Prt. Nr.=AC0402FR-0752K3L
R7: library part RES_0402_4.02k_1%, "Thick Film Resistors - SMD 4.02kOhm 1%", Manufacturer 1="Vishay / Dale", Manufacturer 1 Prt. Nr.=CRCW04024K02FKEDC, Manufacturer 2=Panasonic, Manufacturer 2 Prt. Nr.=ERJ-2RKF4021X
R8: library part RES_0402_2.21k_1%, "Thick Film Resistors - SMD 2.21kOhm 1%", Manufacturer 1="Vishay / Dale", Manufacturer 1 Prt. Nr.=CRCW04022K21FKEDC, Manufacturer 2=Yageo, Manufacturer 2 Prt. Nr.=RC0402FR-7W2K21L
R11: library part RES_0402_10k_1%, "Thick Film Resistors - SMD 10kOhm 1%", Manufacturer 1="Vishay / Dale", Manufacturer 1 Prt. Nr.=CRCW040210K0FKEDC, Manufacturer 2=Yageo, Manufacturer 2 Prt. Nr.=RC0402FR-7W10KL
R16 R17: library part RES_0402_2.2k_1%, "Thick Film Resistors - SMD 2.2kOhm 1%", Manufacturer 1="Vishay / Dale", Manufacturer 1 Prt. Nr.=CRCW04022K20FKEDC, Manufacturer 2=Yageo, Manufacturer 2 Prt. Nr.=AF0402FR-072K2L
S1: library part "LL3301BF065QJ_SPST Top Actuated  Button, 65gf, SMD h: 9.8mm", "SPST Top Actuated  Button, 65gf, SMD h: 9.8mm", Manufacturer 1=E-Switch, Manufacturer 1 Prt. Nr.=LL3301BF065QJ
T1: library part "QT24A01_10/100/1000Base-T  Single  Port  Transformer", "1:1 350 28 1.2 -1 -16 SMD,24PIN RJ45 Transformer RoHS", Manufacturer 1=TNK, Manufacturer 1 Prt. Nr.=QT24A01
TP1 TP2 TP4 TP5 TP6 TP7 TP8 TP9 TP11 TP40: library part "Testpoint 0.8mm", "Testpoint 0.8mm"
U1 U3: library part "AP22811AW5-7_Power Switch ICs - Power Distribution Load Switch", "Power Switch ICs - Power Distribution Load Switch", Manufacturer 1="Diodes Incorporated", Manufacturer 1 Prt. Nr.=AP22811AW5-7
U2: library part "AP21510FM-7_Power Switch ICs - Power Distribution Load Switch", "Power Switch ICs - Power Distribution 0.5A SGL Ch USB 2.0 Curr Limited Switch", Manufacturer 1="Diodes Incorporated", Manufacturer 1 Prt. Nr.=AP21510FM-7
U4: library part "TPS54821RHLR_4.5 V to 17 V Input, 8 A Synchronous Step Down Converter", "4.5 V to 17 V Input, 8 A Synchronous Step Down Converter", Manufacturer 1="Texas Instruments", Manufacturer 1 Prt. Nr.=TPS54821RHLR
U5 U6: library part "NL17SZ07DFT2G_Buffer 1.65-5.5V Single Non-Inverting", "Puffer u. Leitungstreiber 1.65-5.5V Single Non-Inverting", Manufacturer 1="ON Semiconductor", Manufacturer 1 Prt. Nr.=NL17SZ07DFT2G
U7: library part "FSUSB42MUX_IC USB SWITCH DPDT", "IC USB SWITCH DPDT", Manufacturer 1="onsemi / Fairchild", Manufacturer 1 Prt. Nr.=FSUSB42MUX

## Via types
v1: diameter 0.6, hole 0.3, Top Layer to Bottom Layer, tented both sides, 673 vias
v2: diameter 0.6, hole 0.3, Top Layer to Bottom Layer, 1 vias

## Nets (pads, with @x,y where several pads share a name; then routed paths per layer and width w, separated by ;. In a path a pad name is that pad's centre, name@x,y a point inside that pad or via, vN(x,y) a via of type N, cw(c..) or ccw(c..) an arc to the next point about the centre after c; other vN are vias at no path point)
5V_SYS: C2.2 C3.2 C11.2 C15.2 C16.1 C17.2 C18.2 C26.2 J1.77 J1.79 J1.81 J1.83 J1.85 J1.87 L2.2 R5.2 TP40.1 U1.4 U1.5 U2.2 U2.3 U5.5 | length 17.8
  Top Layer w0.25: L2.2@3.325,36.25 3.325,39.475 3.9,40.05 3.9,45.863 R5.2@5.794,47.757 5.794,48.534 C15.2@5.64,48.688 ; C26.2@17.85,45.8 17.85,44.9 C3.2@17.75,44.8 17.709,44.759 U2.3@17.709,43.731 U2.2@18.209,43.731 ; J1.87@45.1,55.55 J1.85@45.5,55.55 J1.83@45.9,55.55 J1.81@46.3,55.55 J1.79@46.7,55.55
  Top Layer w0.3: 18.65,59.05 18.7,59
  other v1: 16.8,45.1 16.8,45.8 2.8,45.9 3.4,46.5 16.8,46.5 4,47.1 16.8,47.2 4.6,47.7 16.8,47.9 5.2,48.3 46,56.4 45.6,57 46.3,57 45.9,57.7 24.7,59.7 24.1,60.3 25,60.4 23.5,60.9 24.4,61
5V_VBUS_HDMI: C9.1 C22.1 D12.2 J13.18 U2.5 U2.6 | length 38
  Top Layer w0.3: v1(31.6,14) 33,12.6 J13.18@33,10.95
  Top Layer w0.4: v1(31.6,14) 31.6,14.054 31.675,14.129 D12.2@31.675,15.1
  Int2 (PWR) w2: v1(20.9,40.6) v1(20.9,39.9) v1(20.9,39.2) 20.9,21 27.9,14 v1(31.6,14)
5V_VBUS_USB: C1.1 C10.1 D2.1 J3.5 U1.1 | length 56.8
  Top Layer w0.6: J3.5@64,12.91 64.177,13.087 64.177,14.537 64.375,14.735 D2.1@64.375,15.1
  Int2 (PWR) w2: v1(24.9,40) 24.9,33.7 40.55,18.05 50.15,18.05 52.7,15.5 60.41,15.5 64,11.91
  other v1: 24.1,40 25.7,40
+1V8: J1.88 J1.90 SJ3.2 | length 11.8
  Top Layer w0.6: v1(44.9,51.9) v1(44.9,53.6)
  Bottom Layer w0.5: SJ3.2@41.4,44.95 41.4,45.6 44.9,49.1 v1(44.9,51.9) v1(44.9,53.6)
+3V3: C23.2 C25.2 C28.1 J1.84 J1.86 R1.2 R11.2 R12.1 R13.1 R14.2 SJ1.2 U3.5 U6.5 U7.1 | length 191.2
  Top Layer w0.2: v1(4.6,71.9) 4.9,71.9 5.225,72.225 R1.2@5.225,72.8 ; v1(4.6,76.9) 4.9,76.9 5.225,77.225 R14.2@5.225,77.8
  Top Layer w0.25: U7.1@52.9,13.167 52.9,13.689 52.901,13.69 C28.1@54.1,13.69 ; C28.1@54.119,13.695 54.895,13.695 v1(54.9,13.7)
  Top Layer w0.3: C23.2@5.5,69.5 6.675,69.5 7.05,69.875 U6.5@7.05,70.075
  Top Layer w0.5: v1(4.6,69.5) C23.2@5.5,69.5 ; v1(45.7,51.9) v1(45.7,53.6)
  Bottom Layer w0.5: v1(4.6,76.9) v1(4.6,69.5) 1.5,66.4 1.5,19.2 3.75,16.95 R12.1@3.75,14.25 3.75,13.25 4.7,12.3 27.8,12.3 28.5,13 32,13 32.677,13.677 53.149,13.677 53.172,13.7 v1(54.9,13.7) 60.4,13.7 65,18.3 65,23.3 63,25.3 63,30.7 v1(61.4,32.3) v1(60.6,32.3) 52.9,32.3 45.7,39.5 45.7,44.35 44.25,45.8 ; SJ1.2@42.7,45.05 42.7,45.4 43.1,45.8 44.25,45.8 ; v1(45.7,53.6) 45.7,47.25 44.25,45.8
BT_DISABLE: J1.91 SJ4.1 | length 19.2
  Top Layer w0.2: v1(44.3,54.7) J1.91@44.3,55.55
  Bottom Layer w0.2: SJ4.1@30.85,48.3 31.25,47.9 34.3,47.9 39.9,53.5 39.9,54.9 41,56 43,56 v1(44.3,54.7)
CM4_OTG_ID: J2.101 R16.2 R17.2 U7.2 | length 25.7
  Top Layer w0.2: U7.2@52.4,13.167 52.4,12.2 52,11.8 50.5,11.8 50.2,12.1 50.2,12.705 49.9,13.005 49.59,13.005 R16.2@49.5,13.095 R17.2@49.5,13.81 49.59,13.9 49.9,13.9 50.2,14.2 50.2,15.3 50.9,16 61.5,16 63.1,17.6 63.1,20.1 62.3,20.9 J2.101@62.3,21.55
ETHERNET_NLED2(YELLOW): J1.17 J12.11 | length 101
  Top Layer w0.15: v1(26.979,23.549) 28.93,25.5 65.7,25.5 v1(67.7,27.5) ; v1(58.9,56.4) 59.1,56.2 J1.17@59.1,55.55
  Bottom Layer w0.15: J12.11@10.73,14.37 12.05,13.05 23.05,13.05 26.979,16.979 v1(26.979,23.549)
  Bottom Layer w0.2: v1(58.9,56.4) 59.5,55.8 59.8,55.8 67.7,47.9 v1(67.7,27.5)
ETHERNET_NLED3(GREEN): J1.15 J12.9 | length 88.4
  Top Layer w0.15: v1(26.702,25.252) 27.45,26 65.1,26 67.6,28.5 v1(68.3,28.5) ; J1.15@59.5,55.55 59.5,56.2 v1(59.7,56.4)
  Bottom Layer w0.15: J12.9@22.16,14.37 26.3,18.51 26.3,24.85 v1(26.702,25.252)
  Bottom Layer w0.2: v1(59.7,56.4) 60.2,56.4 68.3,48.3 v1(68.3,28.5)